# KiCad board hw-openmower-yardforce.kicad_pcb (continued)
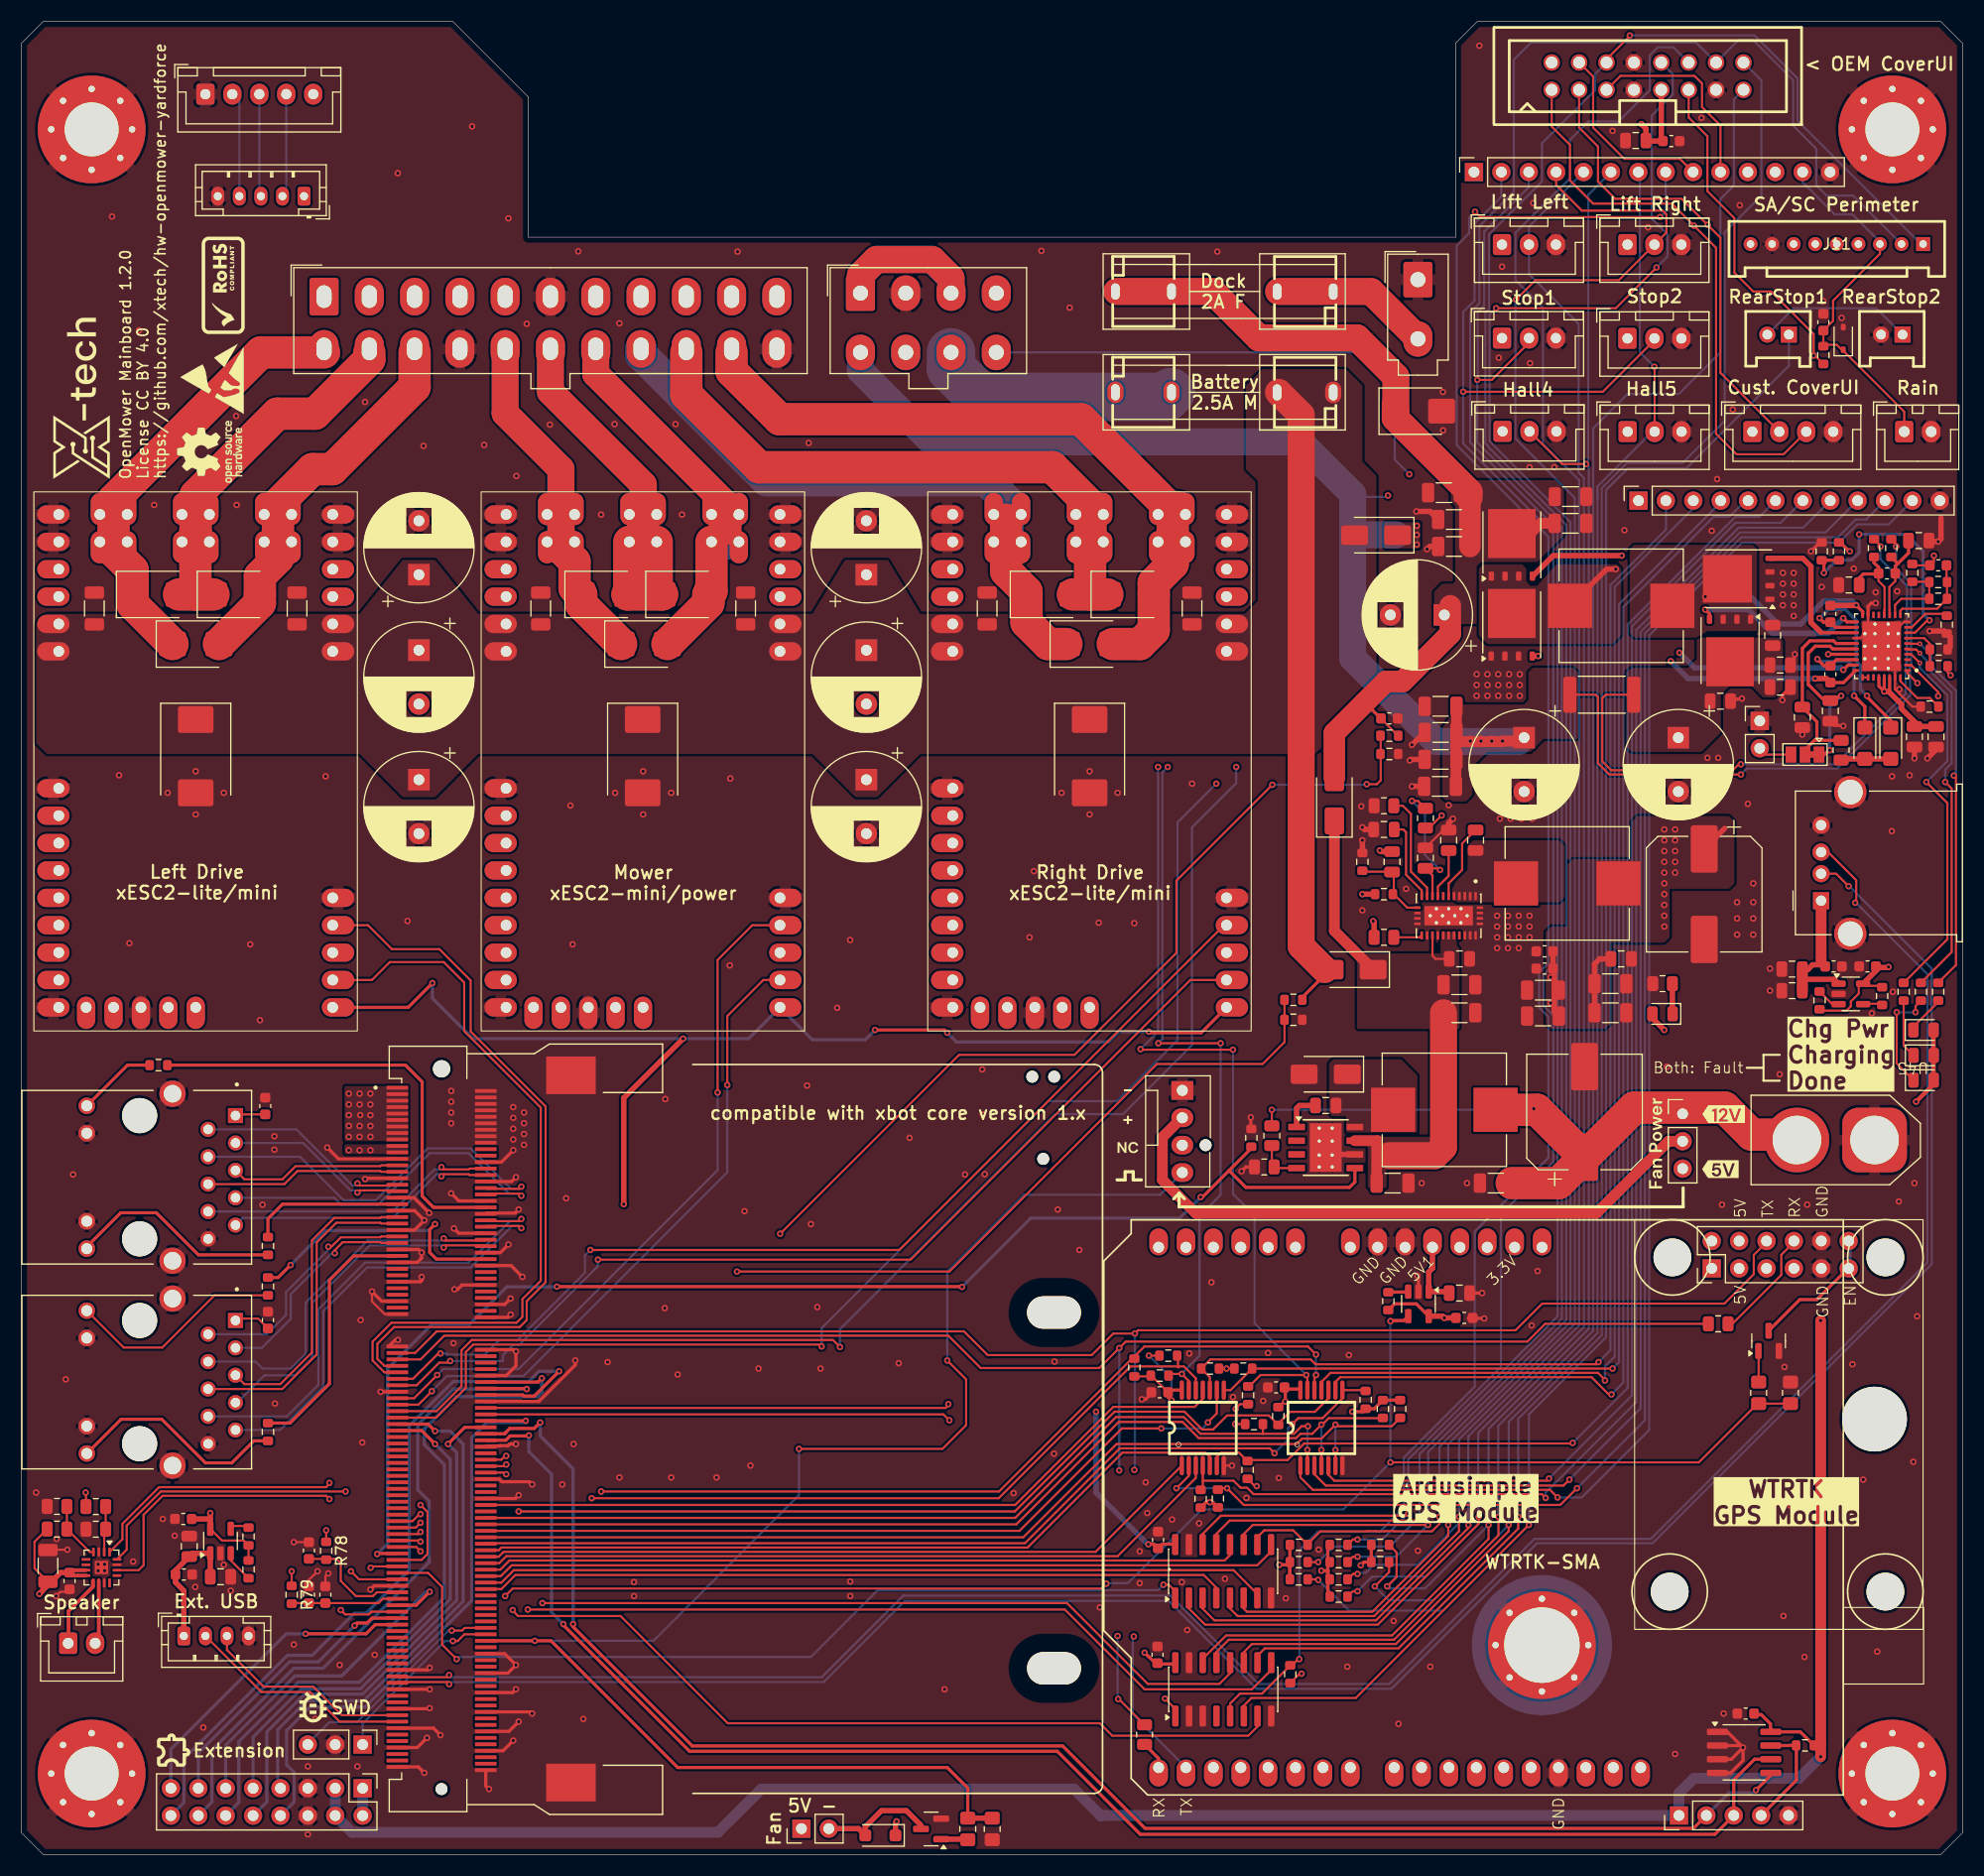
[diagram p0: board, top side]
## Library data of the parts
C1 C2 C5 C8 C10 C15 C17-C20 C22 C23 C36 C37 C48 C52 C54 C63 C76 C77 = -: Description: Unpolarized capacitor; JLC: C14663; ki_fp_filters: C_*
C3 C4 C6 C7 C26 C29 C35 C53 = -: Description: Unpolarized capacitor; JLC: C13967; ki_fp_filters: C_*
C9 C31-C34 = -: Description: Unpolarized capacitor; JLC: C15008; ki_fp_filters: C_*
C11 C16 C24 C25 C66 C67 C70 C71 C74 C75 = -: Description: Unpolarized capacitor; JLC: C13585; ki_fp_filters: C_*
C12 = -: Description: Unpolarized capacitor; JLC: C1710; ki_fp_filters: C_*
C13 = -: Part Number: GVM1V681M1010; Stock_PN: CP-SMD-680uF-35V; Digikey: P124828TR-ND; JLC: C413667; FT Rotation Offset: 180; ki_fp_filters: CP_*
C14 = -: Part Number: GVM1V681M1010; Stock_PN: CP-SMD-680uF-35V; Digikey: P124828TR-ND; JLC: C413667; ki_fp_filters: CP_*
C27 C30 C49 = -: Description: Unpolarized capacitor; ki_fp_filters: C_*
C28 = -: Description: Unpolarized capacitor; JLC: C377773; ki_fp_filters: C_*
C38-C41 C43-C46 = -: Description: Unpolarized capacitor; JLC: C29823; ki_fp_filters: C_*
C42 C47 C50 C64 C65 C68 C69 C72 C73 = -: Description: Polarized capacitor; JLC: C106516; ki_fp_filters: CP_*
C51 C80 = -: Description: Unpolarized capacitor; JLC: C354368; ki_fp_filters: C_*
C55 C56 C58 C59 = -: Description: 4.7uF 50V X7R ±10% 0805 Multilayer Ceramic Capacitors MLCC - SMD/SMT ROHS; JLC: C2991173; ki_fp_filters: C_*
C57 C61 C83 = -: Description: Unpolarized capacitor; JLC: C1623; ki_fp_filters: C_*
C60 = -: Description: Unpolarized capacitor; JLC: C14858; ki_fp_filters: C_*
C62 C78 C84 = -: Description: Unpolarized capacitor; JLC: C1779; ki_fp_filters: C_*
C79 C81 C82 = -: Description: Unpolarized capacitor; JLC: C28233; ki_fp_filters: C_*
D1 D5 D6 D29 = -: Description: Light emitting diode; JLC: C2297; Sim.Pins: 1=K 2=A; ki_fp_filters: LED* LED_SMD:* LED_THT:*
D2 D26 = -: Description: Schottky diode; JLC: C3758930; ki_fp_filters: TO-???* *_Diode_* *SingleDiode* D_*
D3 D15 D28 = -: Digikey: 3757-SB54AFC_R1_00001CT-ND; Part Number: SB54AFC_R1_00001; Stock_PN: D-SMA-Schottky-40V-5A; JLC: C22452; ki_fp_filters: TO-???* *_Diode_* *SingleDiode* D_*
D4 = -: Description: 1uA 40V 44.4V 600W@10/1000us 64.5V 9.3A Bidirectional TVS SMB(DO-214AA) ESD and Surge Protection (TVS/ESD) ROHS; JLC: C84730; ki_fp_filters: TO-???* *_Diode_* *SingleDiode* D_*
D7 D11 D17 = -: Description: -55℃~+150℃ 1 11.3A@10/1000us 1uA 33V 40.6V 53.3V 600W@10/1000us Bidirectional SMC ESD and Surge Protection (TVS/ESD) ROHS; JLC: C7470408; ki_fp_filters: TO-???* *_Diode_* *SingleDiode* D_*
D8-D10 D12-D14 D18-D20 = -: Config: do not place; DNP: Y; ki_fp_filters: TO-???* *_Diode_* *SingleDiode* D_*
D16 = -: Description: Schottky diode; JLC: C22452; ki_fp_filters: TO-???* *_Diode_* *SingleDiode* D_*
D21 = -: Description: Zener diode; JLC: C426855; ki_fp_filters: TO-???* *_Diode_* *SingleDiode* D_*
D22 = -: Part Number: AS160-M; Stock_PN: D-AS160-M; Digikey: 3757-SS0520_R1_00001CT-ND; JLC: C8598; ki_fp_filters: TO-???* *_Diode_* *SingleDiode* D_*
F2 F4 = -: LCSC: C3117; Part Number: https://aliexpress.com/item/4000318714025.html; Stock_PN: FH-FC-202-24; ki_fp_filters: *Fuse*
H1-H4 = -: Config: do not place; DNP: Y; ki_fp_filters: MountingHole*Pad*
H5 = -: Description: Mounting Hole with connection; ki_fp_filters: MountingHole*Pad*
J1 = -: Digikey: WM23810-ND; Part Number: 0039288220; Stock_PN: J-TH-4.2mm-2x11F; JLC: C492534; ki_fp_filters: Connector*:*_2x??_*
J2 = -: Digikey: 23-0039310080-ND; Part Number: 0039310080; Stock_PN: J-TH-4.2mm-2x4F; JLC: C2764796; ki_fp_filters: Connector*:*_2x??_*
J3 = -: Digikey: WM3843-ND; Part Number: 0039293026; Stock_PN: J-TH-4.2mm-1x2F; JLC: C62132; ki_fp_filters: Connector*:*_1x??_*
J4 = -: Description: Generic connector, single row, 01x04, script generated (kicad-library-utils/schlib/autogen/connector/); JLC: C442246; FT Rotation Offset: 180; ki_fp_filters: Connector*:*_1x??_*
J5 = -: Description: -40℃~+105℃ 2 2.54mm 2.54mm 2x8P 3A 8 Black Brass Gold IDC Header Through Hole 插件,P=2.54mm IDC Connectors ROHS; JLC: C3406; ki_fp_filters: Connector*:*_2x??_*
J6 = -: Description: Generic connector, single row, 01x14, script generated; JLC: C2905420; FT Rotation Offset: 90; ki_fp_filters: Connector*:*_1x??_*
J7 = -: Description: Generic connector, single row, 01x12, script generated; JLC: C5224029; FT Rotation Offset: 90; ki_fp_filters: Connector*:*_1x??_*
J8 J9 J12-J15 = -: Digikey: 455-2231-ND; Part Number: B3B-XH-AM(LF)(SN); Stock_PN: J-JST-XH-1x3; JLC: C144394; ki_fp_filters: Connector*:*_1x??_*
J10 = -: Stock_PN: J-JST-PH-1x5; JLC: C442247; FT Rotation Offset: 180; ki_fp_filters: Connector*:*_1x??_*
J11 = -: Description: 1 1x9P 20mm 2A 2mm 5.1mm 8mm 9 9P Brass HY PA66 Through Hole Tin UL94V-0 White Plugin,P=2mm Wire To Board Connector ROHS; Part Number: ZX-HY2.0-9PZZ; JLC: C7429585; ki_fp_filters: Connector*:*_1x??_*
J17 J18 = -: Digikey: 455-2946-ND; Part Number: B2B-XH-A-GU; Stock_PN: J-JST-XH-1x2; JLC: C2910525; FT Rotation Offset: 180; ki_fp_filters: Connector*:*_1x??_*
J19 = -: Description: Generic connector, single row, 01x04, script generated (kicad-library-utils/schlib/autogen/connector/); Digikey: 455-2249-ND; Part Number: B4B-XH-A(LF)(SN); Stock_PN: J-JST-XH-1x4; JLC: C144395; FT Rotation Offset: 180; ki_fp_filters: Connector*:*_1x??_*
J20 = -: Description: Generic connector, single row, 01x02, script generated (kicad-library-utils/schlib/autogen/connector/); JLC: C98734; ki_fp_filters: Connector*:*_1x??_*
J21 = -: Digikey: 455-2270-ND; Part Number: B5B-XH-A(LF)(SN); Stock_PN: J-JST-XH-1x5; JLC: C157991; FT Rotation Offset: 180; ki_fp_filters: Connector*:*_1x??_*
J23 J24 = -: MF: hanrun; MAXIMUM_PACKAGE_HEIGHT: 13.75 mm; Package: None; Price: None; Check_prices: https://www.snapeda.com/parts/HR911130A/HanRun/view-part/?ref=eda; STANDARD: Manufacturer Recommendations; PARTREV: A; SnapEDA_Link: https://www.snapeda.com/parts/HR911130A/HanRun/view-part/?ref=snap; Availability: In Stock; MANUFACTURER: HanRun; JLC: C54408
J25 = -: Description: Generic connector, single row, 01x05, script generated; JLC: C6332198; FT Rotation Offset: 90; ki_fp_filters: Connector*:*_1x??_*
J26 = -: JLC: C225721; JLC-ALT: C306045; FT Rotation Offset: 90
J27 J40 = -: Description: -25℃~+85℃ 1 1x2P 2 250V 2A 2P 2mm 5.1mm 6mm 7.8mm Brass HY PA66 Through Hole Tin White 插件,P=2mm Wire To Board Connector ROHS; Part Number: HC-HY-2A; JLC: C2845460; ki_fp_filters: Connector*:*_1x??_*
J28 = -: Description: USB Type A connector; JLC: C456018; ki_fp_filters: USB*
J31 = -: Description: Generic connector, single row, 01x03, script generated; JLC: C2937625; FT Rotation Offset: 90; ki_fp_filters: Connector*:*_1x??_*
J32 = -: Description: Generic connector, double row, 02x08, odd/even pin numbering scheme (row 1 odd numbers, row 2 even numbers), script generated (kicad-library-utils/schlib/autogen/connector/); JLC: C779499; FT Rotation Offset: 90; ki_fp_filters: Connector*:*_2x??_*
J33 = -: Description: Generic connector, single row, 01x04, script generated (kicad-library-utils/schlib/autogen/connector/); Field4: Farnell; Field5: 2313705; Field6: 470531000; Field7: Molex; Part Description: Connector Header Through Hole 4 position 0.100" (2.54mm); JLC: C240840; FT Rotation Offset: 180; ki_fp_filters: Connector*:*_1x??_*
J34 = -: Description: Generic connector, single row, 01x03, script generated (kicad-library-utils/schlib/autogen/connector/); JLC: C2937625; FT Rotation Offset: 90; ki_fp_filters: Connector*:*_1x??_*
JP1 = -: Description: 3-pole Solder Jumper, pins 1+2 closed/bridged; ki_fp_filters: SolderJumper*Bridged12*
L1 = -: Description: Inductor; JLC: C408485; ki_fp_filters: Choke_* *Coil* Inductor_* L_*
L3 = -: Description: Inductor; JLC: C408489; ki_fp_filters: Choke_* *Coil* Inductor_* L_*
L4 = -: Description: Inductor; JLC: C408487; ki_fp_filters: Choke_* *Coil* Inductor_* L_*
M1 = -: Part Number: DZ254R-11-02-63; Stock_PN: J-TH-1x2-.1; JLC: C2935908; FT Rotation Offset: 90; ki_fp_filters: PinHeader*P2.54mm* TerminalBlock*
Q1 Q4 = -: Datasheet: https://www.onsemi.com/pub/Collateral/BSS138-D.PDF; Description: 50V Vds, 0.22A Id, N-Channel MOSFET, SOT-23; Part Number: AP2300; Stock_PN: Q-AP2300; Digikey: BSS138K-13DICT-ND; JLC: C3040446; ki_fp_filters: SOT?23*
Q6-Q9 = -: JLC: C501503; ki_fp_filters: TDSON*
R1-R4 R27-R32 R34-R43 R46-R51 R60-R65 R70 R75-R77 = -: Description: Resistor; JLC: C25804; ki_fp_filters: R_*
R5-R7 = -: Description: Resistor; JLC: C17514; ki_fp_filters: R_*
R8 R26 R66 = -: Description: Resistor; JLC: C17477; ki_fp_filters: R_*
R11-R14 = -: Description: Resistor; JLC: C23025; ki_fp_filters: R_*
R15 R22 R72 R73 = -: Description: Resistor; ki_fp_filters: R_*
R16 = -: Description: Resistor; JLC: C149504; ki_fp_filters: R_*
R17 = -: Description: Resistor; JLC: C122538; ki_fp_filters: R_*
R18 = -: Description: Resistor; JLC: C2828637; ki_fp_filters: R_*
R19 = -: Description: Resistor; JLC: C17513; ki_fp_filters: R_*
R20 = -: Description: Resistor; JLC: C25819; ki_fp_filters: R_*
R21 = -: Description: Resistor; JLC: C25803; ki_fp_filters: R_*
R23 = -: Description: Resistor; JLC: C2692707; ki_fp_filters: R_*
R24 R52 = -: Digikey: 738-RMCF0805FG10K0CT-ND; Part Number: RMCF0805FG10K0; Stock_PN: R-805-10K-.125W-1%; JLC: C17414; ki_fp_filters: R_*
R25 R53 = -: Stock_PN: R-805-150-.125W-1%; Digikey: 311-150CRCT-ND; Part Number: RC0805FR-07150RL; JLC: C17471; ki_fp_filters: R_*
R33 = -: Description: Resistor; JLC: C705752; ki_fp_filters: R_*
R44 = -: Description: Resistor; JLC: C4328; ki_fp_filters: R_*
R45 R58 R59 = -: Description: Resistor; JLC: C17520; ki_fp_filters: R_*
R54 = -: Description: Resistor; JLC: C705768; ki_fp_filters: R_*
R55 = -: Description: Resistor; JLC: C318131; ki_fp_filters: R_*
R56 = -: Description: Resistor; JLC: C861323; ki_fp_filters: R_*
R57 = -: Description: Resistor; JLC: C728589; ki_fp_filters: R_*
R67 = -: Description: Resistor; JLC: C309526; ki_fp_filters: R_*
R68 R69 = -: Description: Resistor; JLC: C22859; ki_fp_filters: R_*
R71 = -: Description: Resistor; JLC: C861231; ki_fp_filters: R_*
R74 = -: Description: Resistor; JLC: C227577; ki_fp_filters: R_*
R78 R79 = -: Description: Resistor; JLC: C21190; ki_fp_filters: R_*
TP1 = -: Description: 2-polar test point; ki_fp_filters: Pin* Test*
U1 U2 = -: Datasheet: https://www.ti.com/lit/ds/symlink/tps2051c.pdf; Description: 1A Current limited power switch, single channel, output discharge, reverse blocking, SOT-23-5; JLC: C353882; FT Rotation Offset: 90; ki_fp_filters: SOT?23*
U3 = -: Datasheet: https://www.analog.com/media/en/technical-documentation/data-sheets/MAX98357A-MAX98357B.pdf; Description: Mono DAC with amplifier, I2S, PCM, TDM, 32-bit, 96khz, 3.2W, TQFP-16; JLC: C910544; FT Rotation Offset: -90; ki_fp_filters: TQFN*3x3mm*P0.5mm*EP1.23x1.23mm*
U4 = -: Datasheet: http://www.ti.com/lit/ds/symlink/tps5430.pdf; Description: 3A, Step Down Swift Converter, Adjustable Output Voltage, 5.5-36V Input Voltage, PowerSO-8; JLC: C9864; ki_fp_filters: TI*SO*PowerPAD*ThermalVias*
U5 = -: Datasheet: https://www.ti.com/lit/ds/symlink/lm76005.pdf?ts=1718110395626&ref_url=https%253A%252F%252Fwww.ti.com%252Fproduct%252Fde-de%252FLM76005%252Fpart-details%252FLM76005RNPR; MF: Texas Instruments; SNAPEDA_PACKAGE_ID: 121635; MAXIMUM_PACKAGE_HEIGHT: 0.8 mm; Price: None; Package: WQFN-30 Texas Instruments; Check_prices: https://www.snapeda.com/parts/LM76005RNPR/Texas+Instruments/view-part/?ref=eda; STANDARD: Manufacturer Recommendations; PARTREV: A; SnapEDA_Link: https://www.snapeda.com/parts/LM76005RNPR/Texas+Instruments/view-part/?ref=snap; Purchase-URL: https://www.snapeda.com/api/url_track_click_mouser/?unipart_id=4770820&manufacturer=Texas Instruments&part_name=LM76005RNPR&search_term=lm76005rnpr; Description_1: 3.5-V to 60-V, 5-A synchronous step-down voltage converter; MANUFACTURER: Texas Instruments; Availability: In Stock; JLC: C2866241
U6 = -: Datasheet: https://www.ti.com/lit/ds/symlink/tps2051c.pdf; Description: 1A Current limited power switch, single channel, output discharge, reverse blocking, SOT-23-5; JLC: C265129; FT Rotation Offset: 90; ki_fp_filters: SOT?23*
U7 = -: Datasheet: http://www.st.com/content/ccc/resource/technical/document/datasheet/b0/d8/50/40/5a/85/49/6f/DM00071904.pdf/files/DM00071904.pdf/jcr:content/translations/en.DM00071904.pdf; Description: 2Kb (256x8) I2C Serial EEPROM, 2.5-5.5V, SOIC-8; JLC: C7562; ki_fp_filters: SOIC*3.9x4.9mm*P1.27mm*
U11 U12 = -: Datasheet: https://item.szlcsc.com/datasheet/SN74LVC07ADBR/2768715.html; Description: SN74LVC07ADBR SSOP-14_L6.2-W5.3-P0.65-LS7.8-BL; LCSC Part: C2676799
U14-U17 = -: JLC: C717027
U18-U26 = -: JLC: C92273
U27 = -: Datasheet: https://www.ti.com/lit/ds/symlink/bq25756.pdf; MF: Texas Instruments; MAXIMUM_PACKAGE_HEIGHT: 1.00mm; Package: VFQFN-36 Texas Instruments; Price: None; Check_prices: https://www.snapeda.com/parts/BQ25756RRVR/Texas+Instruments/view-part/?ref=eda; STANDARD: Manufacturer Recommendations; PARTREV: August 2023; SnapEDA_Link: https://www.snapeda.com/parts/BQ25756RRVR/Texas+Instruments/view-part/?ref=snap; Purchase-URL: https://www.snapeda.com/api/url_track_click_mouser/?unipart_id=14913022&manufacturer=Texas Instruments&part_name=BQ25756RRVR&search_term=bq25756rrvr; Description_1: Stand-alone or I&sup2;C-controlled 70-V bidirectional buck-boost charge controller with MPPT; Availability: In Stock; MANUFACTURER: Texas Instruments; JLC: C19272232; FT Rotation Offset: -90
U28 U29 = -: JLC: C356459
U30-U35 U42 = -: JLC: C7509518
U36-U38 = -: JLC: C7509520
U39-U41 = -: JLC: C7509517
U43 U44 = -: JLC: C7509515
U45 = -: JLC: C7509514
U46 = -: JLC: C718230
U47 U48 = -: Datasheet: https://www.ti.com/document-viewer/sn74lvc157a/datasheet; Description: Quad 2 to 1 line Multiplexer; JLC: C7664; ki_fp_filters: DIP?16*
XA1 = -: Config: do not place; DNP: Y; ki_fp_filters: Arduino_Uno_Shield

## Footprints (pads in the part's own frame, mm; a bottom-side part is the same pattern mirrored in y, then rotated)
AMASS_XT60-F_1x02_P7.20mm_Vertical
  rrect 6x6 hole 4.5: 1(0,0)
  round 6 hole 4.5: 2(7.2,0)
Arduino_Uno_Shield_Ardusimple_Budget
  oval 1.727x2.5 hole 1.016: (27.94,2.54) 3V3(35.56,2.54) 5V1(38.1,2.54) A0(50.8,2.54) A1(53.34,2.54) A2(55.88,2.54) A3(58.42,2.54) A4(60.96,2.54) A5(63.5,2.54) AREF(23.876,50.8) D0(63.5,50.8) D1(60.96,50.8) D2(58.42,50.8) D3(55.88,50.8) D4(53.34,50.8) D5(50.8,50.8) D6(48.26,50.8) D7(45.72,50.8) D8(41.656,50.8) D9(39.116,50.8) D10(36.576,50.8) D11(34.036,50.8) D12(31.496,50.8) D13(28.956,50.8) GND1(26.416,50.8) GND2(40.64,2.54) GND3(43.18,2.54) IORF(30.48,2.54) RST1(33.02,2.54) SCL(18.796,50.8) SDA(21.336,50.8) VIN(45.72,2.54)
BQ25756RRVR
  rrect 0.6x0.25 smd: 1(-2.4,2.25) 2(-2.4,1.75) 3(-2.4,1.25) 4(-2.4,0.75) 5(-2.4,0.25) 6(-2.4,-0.25) 7(-2.4,-0.75) 8(-2.4,-1.25) 9(-2.4,-1.75) 10(-2.4,-2.25) 19(2.4,-2.25) 20(2.4,-1.75) 21(2.4,-1.25) 22(2.4,-0.75) 23(2.4,-0.25) 24(2.4,0.25) 25(2.4,0.75) 26(2.4,1.25) 27(2.4,1.75) 28(2.4,2.25)
  rrect 0.25x0.6 smd: 11(-1.75,-2.9) 12(-1.25,-2.9) 13(-0.75,-2.9) 14(-0.25,-2.9) 15(0.25,-2.9) 16(0.75,-2.9) 17(1.25,-2.9) 18(1.75,-2.9) 29(1.75,2.9) 30(1.25,2.9) 31(0.75,2.9) 32(0.25,2.9) 33(-0.25,2.9) 34(-0.75,2.9) 35(-1.25,2.9) 36(-1.75,2.9)
  round 0.5 hole 0.3: 37(-1.55,1.16) 37(-1.55,0) 37(-1.55,-1.16) 37(-0.615,2.05) 37(-0.615,1.16) 37(-0.615,0) 37(-0.615,-1.16) 37(-0.615,-2.05) 37(0.615,2.05) 37(0.615,1.16) 37(0.615,0) 37(0.615,-1.16) 37(0.615,-2.05) 37(1.55,1.16) 37(1.55,0) 37(1.55,-1.16)
  rrect 3.6x4.6 smd: 37(0,0)
C_0603_1608Metric
  rrect 0.9x0.95 smd: 1(-0.775,0) 2(0.775,0)
C_0805_2012Metric
  rrect 1x1.45 smd: 1(-0.95,0) 2(0.95,0)
C_1206_3216Metric
  rrect 1.15x1.8 smd: 1(-1.475,0) 2(1.475,0)
CP_Elec_10x12.5
  rrect 4.4x2.5 smd: 1(-4.2,0) 2(4.2,0)
CP_Radial_D10.0mm_P5.00mm
  rect 2x2 hole 1: 1(0,0)
  round 2 hole 1: 2(5,0)
D_SMA
  rrect 2.5x1.8 smd: 1(-2,0) 2(2,0)
D_SMB
  rrect 2.5x2.3 smd: 1(-2.15,0) 2(2.15,0)
D_SMB#2
  rrect 2.5x2.3 smd: 1(-2.15,0) 2(2.15,0)
D_SMC
  rrect 2.5x3.3 smd: 1(-3.4,0) 2(3.4,0)
D_SMF
  rrect 1.3x1.4 smd: 1(-1.45,0) 2(1.45,0)
D_SOD-123F
  rrect 1.1x1.1 smd: 1(-1.4,0) 2(1.4,0)
D_SOD-323
  rrect 0.6x0.45 smd: 1(-1.05,0) 2(1.05,0)
FanPinHeader_1x04_P2.54mm_Vertical
  round 1.1 hole 1.1 unplated: (5.08,2.16)
  rect 1.73x2.03 hole 1.02: 1(0,0)
  oval 1.73x2.03 hole 1.02: 2(2.54,0) 3(5.08,0) 4(7.62,0)
Fuseholder5x20_horiz_open_inline_XF-003
  oval 1.5x2 hole 0.8x1.5: 1(-0.13,0) 1(5.07,0) 2(14.87,-0.01) 2(20.07,-0.01)
HC-HY-2A_C2845460
  rect 1.5x1.5 hole 0.9: 1(1,0)
  round 1.5 hole 0.9: 2(-1,0)
HDR-IDC-2_54-2X8P_C3406
  round 1.524 hole 1.1: 1(-8.89,-1.27) 2(-8.89,1.27) 3(-6.35,-1.27) 4(-6.35,1.27) 5(-3.81,-1.27) 6(-3.81,1.27) 7(-1.27,-1.27) 8(-1.27,1.27) 9(1.27,-1.27) 10(1.27,1.27) 11(3.81,-1.27) 12(3.81,1.27) 13(6.35,-1.27) 14(6.35,1.27) 15(8.89,-1.27) 16(8.89,1.27)
HR911130A
  round 3.25 hole 3.25 unplated: (-5.715,0) (5.715,0)
  rect 1.398x1.398 hole 0.89: 1(5.72,-8.89)
  round 1.398 hole 0.89: 2(4.44,-6.35) 3(3.18,-8.89) 4(1.9,-6.35) 5(0.64,-8.89) 6(-0.64,-6.35) 7(-1.9,-8.89) 8(-3.18,-6.35) 9(-4.44,-8.89) 10(-5.72,-6.35)
  round 1.53 hole 1.02: 11(6.625,4.9) 12(4.085,4.9) 13(-4.085,4.9) 14(-6.625,4.9)
  round 2.445 hole 1.63: S1(7.745,-3.05) S2(-7.745,-3.05)
JST_PH_B4B-PH-K_1x04_P2.00mm_Vertical
  rrect 1.2x1.75 hole 0.75: 1(0,0)
  oval 1.2x1.75 hole 0.75: 2(2,0) 3(4,0) 4(6,0)
JST_PH_B5B-PH-K_1x05_P2.00mm_Vertical
  rrect 1.2x1.75 hole 0.75: 1(0,0)
  oval 1.2x1.75 hole 0.75: 2(2,0) 3(4,0) 4(6,0) 5(8,0)
JST_XH_B2B-XH-A_1x02_P2.50mm_Vertical
  rrect 1.7x2 hole 1: 1(0,0)
  oval 1.7x2 hole 1: 2(2.5,0)
JST_XH_B3B-XH-A_1x03_P2.50mm_Vertical
  rrect 1.7x1.95 hole 0.95: 1(0,0)
  oval 1.7x1.95 hole 0.95: 2(2.5,0) 3(5,0)
JST_XH_B4B-XH-A_1x04_P2.50mm_Vertical
  rrect 1.7x1.95 hole 0.95: 1(0,0)
  oval 1.7x1.95 hole 0.95: 2(2.5,0) 3(5,0) 4(7.5,0)
JST_XH_B5B-XH-A_1x05_P2.50mm_Vertical
  rrect 1.7x1.95 hole 0.95: 1(0,0)
  oval 1.7x1.95 hole 0.95: 2(2.5,0) 3(5,0) 4(7.5,0) 5(10,0)
L_Sunlord_MWSA1004S
  rect 4.1x4.1 smd: 1(-4.75,0) 2(4.75,0)
LED_0805_2012Metric
  rrect 0.975x1.4 smd: 1(-0.938,0) 2(0.938,0)
LM76005RNPR
  rrect 0.75x0.25 smd: 1(-1.825,2.5) 2(-1.825,2) 3(-1.825,1.5) 4(-1.825,1) 5(-1.825,0.5) 6(-1.825,0) 7(-1.825,-0.5) 8(-1.825,-1) 9(-1.825,-1.5) 10(-1.825,-2) 11(-1.825,-2.5) 16(1.825,-2.5) 17(1.825,-2) 18(1.825,-1.5) 19(1.825,-1) 20(1.825,-0.5) 21(1.825,0) 22(1.825,0.5) 23(1.825,1) 24(1.825,1.5) 25(1.825,2) 26(1.825,2.5)
  rrect 0.25x0.6 smd: 12(-0.75,-2.9) 13(-0.25,-2.9) 14(0.25,-2.9) 15(0.75,-2.9) 27(0.75,2.9) 28(0.25,2.9) 29(-0.25,2.9) 30(-0.75,2.9)
  round 0.5 hole 0.3: 31(-0.65,1.14) 31(-0.65,-1.14) 31(-0.65,0) 31(0,1.71) 31(0,0.57) 31(0,-0.57) 31(0,-1.71) 31(0.65,0) 31(0.65,1.14) 31(0.65,-1.14)
  rect 1.8x4.5 smd: 31(0,0)
Molex_Mini-Fit_Jr_5566-02A_2x01_P4.20mm_Vertical
  rrect 2.7x3.3 hole 1.4: 1(0,0)
  oval 2.7x3.3 hole 1.4: 2(0,-5.5)
Molex_Mini-Fit_Jr_5566-08A_2x04_P4.20mm_Vertical
  rrect 2.7x3.3 hole 1.4: 1(0,0)
  oval 2.7x3.3 hole 1.4: 2(4.2,0) 3(8.4,0) 4(12.6,0) 5(0,-5.5) 6(4.2,-5.5) 7(8.4,-5.5) 8(12.6,-5.5)
Molex_Mini-Fit_Jr_5566-22A_2x11_P4.20mm_Vertical
  rrect 2.7x3.5 hole 1.4x2.1: 1(0,-0.325)
  oval 2.7x3.5 hole 1.4x2.1: 2(4.2,-0.325) 3(8.4,-0.325) 4(12.6,-0.325) 5(16.8,-0.325) 6(21,-0.325) 7(25.2,-0.325) 8(29.4,-0.325) 9(33.6,-0.325) 10(37.8,-0.325) 11(42,-0.325) 12(0,-5.175) 13(4.2,-5.175) 14(8.4,-5.175) 15(12.6,-5.175) 16(16.8,-5.175) 17(21,-5.175) 18(25.2,-5.175) 19(29.4,-5.175) 20(33.6,-5.175) 21(37.8,-5.175) 22(42,-5.175)
MountingHole_5mm_Pad_Via
  round 0.9 hole 0.6: 1(-3.75,0) 1(-2.652,2.652) 1(-2.652,-2.652) 1(0,3.75) 1(0,-3.75) 1(2.652,2.652) 1(2.652,-2.652) 1(3.75,0)
  round 10 hole 5: 1(0,0)
PinHeader_1x02_P2.54mm_Vertical
  rect 1.7x1.7 hole 1: 1(0,0)
  oval 1.7x1.7 hole 1: 2(0,-2.54)
PinHeader_1x03_P2.54mm_Vertical
  rect 1.7x1.7 hole 1: 1(0,0)
  oval 1.7x1.7 hole 1: 2(0,-2.54) 3(0,-5.08)
PinHeader_1x05_P2.54mm_Vertical
  rect 1.7x1.7 hole 1: 1(0,0)
  oval 1.7x1.7 hole 1: 2(0,-2.54) 3(0,-5.08) 4(0,-7.62) 5(0,-10.16)
PinHeader_2x08_P2.54mm_Vertical
  rect 1.7x1.7 hole 1: 1(0,0)
  oval 1.7x1.7 hole 1: 2(2.54,0) 3(0,-2.54) 4(2.54,-2.54) 5(0,-5.08) 6(2.54,-5.08) 7(0,-7.62) 8(2.54,-7.62) 9(0,-10.16) 10(2.54,-10.16) 11(0,-12.7) 12(2.54,-12.7) 13(0,-15.24) 14(2.54,-15.24) 15(0,-17.78) 16(2.54,-17.78)
PinSocket_1x12_P2.54mm_Vertical
  rect 1.7x1.7 hole 1: 1(0,0)
  round 1.7 hole 1: 2(0,-2.54) 3(0,-5.08) 4(0,-7.62) 5(0,-10.16) 6(0,-12.7) 7(0,-15.24) 8(0,-17.78) 9(0,-20.32) 10(0,-22.86) 11(0,-25.4) 12(0,-27.94)
PinSocket_1x14_P2.54mm_Vertical
  rect 1.7x1.7 hole 1: 1(0,0)
  round 1.7 hole 1: 2(0,-2.54) 3(0,-5.08) 4(0,-7.62) 5(0,-10.16) 6(0,-12.7) 7(0,-15.24) 8(0,-17.78) 9(0,-20.32) 10(0,-22.86) 11(0,-25.4) 12(0,-27.94) 13(0,-30.48) 14(0,-33.02)
R_0603_1608Metric
  rrect 0.8x0.95 smd: 1(-0.825,0) 2(0.825,0)
R_0805_2012Metric
  rrect 1.025x1.4 smd: 1(-0.912,0) 2(0.912,0)
R_0805_2012Metric_Pad1.20x1.40mm_HandSolder
  rrect 1.2x1.4 smd: 1(-1,0) 2(1,0)
R_1206_3216Metric
  rrect 1.125x1.75 smd: 1(-1.462,0) 2(1.462,0)
R_2512_6332Metric
  rrect 1.225x3.35 smd: 1(-2.962,0) 2(2.962,0)
SMA_Mount_Hole_7mm_Pad_Via_Top_10_Bottom_13
  round 0.9 hole 0.6: 1(-4.3,0) 1(-3,3) 1(-3,-3) 1(0,4.3) 1(0,-4.3) 1(3,3) 1(3,-3) 1(4.3,0)
  round 10 hole 7: 1(0,0)
  round 13 smd far side: 1(0,0)
SN74LVC07ADBR_C2676799
  oval 0.4x1.8 smd: 1(-1.95,-3.5) 2(-1.3,-3.5) 3(-0.65,-3.5) 4(0,-3.5) 5(0.65,-3.5) 6(1.3,-3.5) 7(1.95,-3.5) 8(1.95,3.5) 9(1.3,3.5) 10(0.65,3.5) 11(0,3.5) 12(-0.65,3.5) 13(-1.3,3.5) 14(-1.95,3.5)
SOIC-8_3.9x4.9mm_P1.27mm
  rrect 1.95x0.6 smd: 1(-2.475,1.905) 2(-2.475,0.635) 3(-2.475,-0.635) 4(-2.475,-1.905) 5(2.475,-1.905) 6(2.475,-0.635) 7(2.475,0.635) 8(2.475,1.905)
SOIC-16_3.9x9.9mm_P1.27mm
  rrect 1.95x0.6 smd: 1(-2.475,4.445) 2(-2.475,3.175) 3(-2.475,1.905) 4(-2.475,0.635) 5(-2.475,-0.635) 6(-2.475,-1.905) 7(-2.475,-3.175) 8(-2.475,-4.445) 9(2.475,-4.445) 10(2.475,-3.175) 11(2.475,-1.905) 12(2.475,-0.635) 13(2.475,0.635) 14(2.475,1.905) 15(2.475,3.175) 16(2.475,4.445)
SolderJumper-3_P1.3mm_Bridged12_Pad1.0x1.5mm
  rect 1x1.5 smd: 1(-1.3,0) 2(0,0) 3(1.3,0)
SOT-23
  rrect 1.475x0.6 smd: 1(-0.938,0.95) 2(-0.938,-0.95) 3(0.938,0)
SOT-23-5
  rrect 1.325x0.6 smd: 1(-1.137,0.95) 2(-1.137,0) 3(-1.137,-0.95) 4(1.137,-0.95) 5(1.137,0.95)
Tag-Connect_TC2050-guidance
  round 1.1 hole 1.1 unplated: (-3.81,0) (3.81,1.016) (3.81,-1.016)
TDSON-8-1
  rrect 1.5x1.5 smd: (-0.2,0.85) (-0.2,-0.85) (1.5,0.85) (1.5,-0.85)
  custom 4.55x4.41 smd: (0.65,0)
  rrect 0.75x0.5 smd: (2.905,1.905) (2.905,0.635) (2.905,-0.635) (2.905,-1.905)
  rrect 0.85x0.5 smd: 1(-2.9,1.905) 2(-2.9,0.635) 3(-2.9,-0.635) 4(-2.9,-1.905)
  rect 4.55x4.41 smd: 5(1.05,0)
TI_SO-PowerPAD-8_ThermalVias
  rect 1.55x0.6 smd: 1(-2.7,1.905) 2(-2.7,0.635) 3(-2.7,-0.635) 4(-2.7,-1.905) 5(2.7,-1.905) 6(2.7,-0.635) 7(2.7,0.635) 8(2.7,1.905)
  round 0.6 hole 0.3: 9(-0.6,1.8) 9(-0.6,0.6) 9(-0.6,-0.7) 9(-0.6,-1.8) 9(0.6,1.8) 9(0.6,0.6) 9(0.6,-0.7) 9(0.6,-1.8)
  rect 2.6x3.1 smd: 9(0,0)
  rect 2.95x4.5 smd: 9(0,0)
  rect 2.95x4.5 smd far side: 9(0,0)
TQFN-16-1EP_3x3mm_P0.5mm_EP1.23x1.23mm
  rrect 0.5x0.5 smd: (-0.31,0.31) (-0.31,-0.31) (0.31,0.31) (0.31,-0.31)
  rrect 0.825x0.25 smd: 1(-1.438,0.75) 2(-1.438,0.25) 3(-1.438,-0.25) 4(-1.438,-0.75) 9(1.438,-0.75) 10(1.438,-0.25) 11(1.438,0.25) 12(1.438,0.75)
  rrect 0.25x0.825 smd: 5(-0.75,-1.438) 6(-0.25,-1.438) 7(0.25,-1.438) 8(0.75,-1.438) 13(0.75,1.438) 14(0.25,1.438) 15(-0.25,1.438) 16(-0.75,1.438)
  rect 1.23x1.23 smd: 17(0,0)
UM9XX_WitMotion Sabo
  round 3.5 hole 3.5 unplated: (3.5,34.5) (3.5,3.5) (23.25,3.5) (23.5,34.5)
  round 6 hole 6 unplated: (4.5,18.5)
  rect 1.7x1.7 hole 1: 1(19.6,4.52)
  oval 1.7x1.7 hole 1: 2(17.06,4.52) 3(14.52,4.52) 4(11.98,4.52) 5(9.44,4.52) 6(6.9,4.52) 7(19.6,1.98) 8(17.06,1.98) 9(14.52,1.98) 10(11.98,1.98) 11(9.44,1.98) 12(6.9,1.98)
USB_A_Molex_67643_Horizontal
  rect 1.6x1.5 hole 0.95: 1(0,0)
  round 1.6 hole 0.95: 2(2.5,0) 3(4.5,0) 4(7,0)
  round 3 hole 2.3: 5(-3.07,-2.71) 5(10.07,-2.71)
xcore
  round 1.6 hole 1.6 unplated: (0,33.4)
  round 1.1 hole 1.1 unplated: (0,-33.4)
  oval 5x3 hole 5x3 unplated: (56.8,10.8) (56.8,-22.2)
  rect 2x0.35 smd: 1(-4.1,31.65) 2(4.1,31.35) 3(-4.1,31.05) 4(4.1,30.75) 5(-4.1,30.45) 6(4.1,30.15) 7(-4.1,29.85) 8(4.1,29.55) 9(-4.1,29.25) 10(4.1,28.95) 11(-4.1,28.65) 12(4.1,28.35) 13(-4.1,28.05) 14(4.1,27.75) 15(-4.1,27.45) 16(4.1,27.15) 17(-4.1,26.85) 18(4.1,26.55) 19(-4.1,26.25) 20(4.1,25.95) 21(-4.1,25.65) 22(4.1,25.35) 23(-4.1,25.05) 24(4.1,24.75) 25(-4.1,24.45) 26(4.1,24.15) 27(-4.1,23.85) 28(4.1,23.55) 29(-4.1,23.25) 30(4.1,22.95) 31(-4.1,22.65) 32(4.1,22.35) 33(-4.1,22.05) 34(4.1,21.75) 35(-4.1,21.45) 36(4.1,21.15) 37(-4.1,20.85) 38(4.1,20.55) 39(-4.1,20.25) 40(4.1,19.95) 41(-4.1,19.65) 42(4.1,19.35) 43(-4.1,19.05) 44(4.1,18.75) 45(-4.1,18.45) 46(4.1,18.15) 47(-4.1,17.85) 48(4.1,17.55) 49(-4.1,17.25) 50(4.1,16.95) 51(-4.1,16.65) 52(4.1,16.35) 53(-4.1,16.05) 54(4.1,15.75) 55(-4.1,15.45) 56(4.1,15.15) 57(-4.1,14.85) 58(4.1,14.55) 59(-4.1,14.25) 60(4.1,13.95) 61(-4.1,13.65) 62(4.1,13.35) 63(-4.1,13.05) 64(4.1,12.75) 65(-4.1,12.45) 66(4.1,12.15) 67(-4.1,11.85) 68(4.1,11.55) 69(-4.1,11.25) 70(4.1,10.95) 71(-4.1,10.65) 72(4.1,10.35) 73(-4.1,7.65) 74(4.1,7.35) 75(-4.1,7.05) 76(4.1,6.75) 77(-4.1,6.45) 78(4.1,6.15) 79(-4.1,5.85) 80(4.1,5.55) 81(-4.1,5.25) 82(4.1,4.95) 83(-4.1,4.65) 84(4.1,4.35) 85(-4.1,4.05) 86(4.1,3.75) 87(-4.1,3.45) 88(4.1,3.15) 89(-4.1,2.85) 90(4.1,2.55) 91(-4.1,2.25) 92(4.1,1.95) 93(-4.1,1.65) 94(4.1,1.35) 95(-4.1,1.05) 96(4.1,0.75) 97(-4.1,0.45) 98(4.1,0.15) 99(-4.1,-0.15) 100(4.1,-0.45) 101(-4.1,-0.75) 102(4.1,-1.05) 103(-4.1,-1.35) 104(4.1,-1.65) 105(-4.1,-1.95) 106(4.1,-2.25) 107(-4.1,-2.55) 108(4.1,-2.85) 109(-4.1,-3.15) 110(4.1,-3.45) 111(-4.1,-3.75) 112(4.1,-4.05) 113(-4.1,-4.35) 114(4.1,-4.65) 115(-4.1,-4.95) 116(4.1,-5.25) 117(-4.1,-5.55) 118(4.1,-5.85) 119(-4.1,-6.15) 120(4.1,-6.45) 121(-4.1,-6.75) 122(4.1,-7.05) 123(-4.1,-7.35) 124(4.1,-7.65) 125(-4.1,-7.95) 126(4.1,-8.25) 127(-4.1,-8.55) 128(4.1,-8.85) 129(-4.1,-9.15) 130(4.1,-9.45) 131(-4.1,-9.75) 132(4.1,-10.05) 133(-4.1,-10.35) 134(4.1,-10.65) 135(-4.1,-10.95) 136(4.1,-11.25) 137(-4.1,-11.55) 138(4.1,-11.85) 139(-4.1,-12.15) 140(4.1,-12.45) 141(-4.1,-12.75) 142(4.1,-13.05) 143(-4.1,-13.35) 144(4.1,-13.65) 145(-4.1,-13.95) 146(4.1,-14.25) 147(-4.1,-14.55) 148(4.1,-14.85) 149(-4.1,-15.15) 150(4.1,-15.45) 151(-4.1,-15.75) 152(4.1,-16.05) 153(-4.1,-16.35) 154(4.1,-16.65) 155(-4.1,-16.95) 156(4.1,-17.25) 157(-4.1,-17.55) 158(4.1,-17.85) 159(-4.1,-18.15) 160(4.1,-18.45) 161(-4.1,-18.75) 162(4.1,-19.05) 163(-4.1,-19.35) 164(4.1,-19.65) 165(-4.1,-19.95) 166(4.1,-20.25) 167(-4.1,-20.55) 168(4.1,-20.85) 169(-4.1,-21.15) 170(4.1,-21.45) 171(-4.1,-21.75) 172(4.1,-22.05) 173(-4.1,-22.35) 174(4.1,-22.65) 175(-4.1,-22.95) 176(4.1,-23.25) 177(-4.1,-23.55) 178(4.1,-23.85) 179(-4.1,-24.15) 180(4.1,-24.45) 181(-4.1,-24.75) 182(4.1,-25.05) 183(-4.1,-25.35) 184(4.1,-25.65) 185(-4.1,-25.95) 186(4.1,-26.25) 187(-4.1,-26.55) 188(4.1,-26.85) 189(-4.1,-27.15) 190(4.1,-27.45) 191(-4.1,-27.75) 192(4.1,-28.05) 193(-4.1,-28.35) 194(4.1,-28.65) 195(-4.1,-28.95) 196(4.1,-29.25) 197(-4.1,-29.55) 198(4.1,-29.85) 199(-4.1,-30.15) 200(4.1,-30.45) 201(-4.1,-30.75) 202(4.1,-31.05) 203(-4.1,-31.35) 204(4.1,-31.65)
  rect 4.6x3.5 smd: SH1(12,32.8) SH2(12,-32.8)
xESC2-mini
  oval 1.7x3 hole 1: 1(-17.775,27.94) 2(-15.235,27.94) 3(-10.155,27.94) 4(-7.615,27.94) 5(-5.075,27.94) 5V(-12.695,27.94) 5V(17.785,27.94) 5V(17.785,2.54) 5V(20.325,27.94) 5V(20.325,2.54) 6(-2.535,27.94) 11(-20.315,2.54) 12(-17.775,2.54) 13(-15.235,2.54) 14(-12.695,2.54) GND(-20.315,27.94) GND(-10.155,2.54) GND(0.005,27.94) GND(22.865,27.94) GND(22.865,2.54) GND(25.405,27.94) GND(25.405,2.54) VM(12.705,27.94) VM(12.705,2.54) VM(15.245,27.94) VM(15.245,2.54)
  oval 3x1.7 hole 1: 7(-20.315,25.4) 8(-20.315,22.86) 9(-20.315,17.78) 10(-20.315,15.24) GND(-20.315,20.32) U(22.865,8.89) U(22.865,6.35) U(25.405,8.89) U(25.405,6.35) V(22.865,16.51) V(22.865,13.97) V(25.405,16.51) V(25.405,13.97) W(22.865,24.13) W(22.865,21.59) W(25.405,24.13) W(25.405,21.59)
ZX-HY2_0-9PZZ_C7429585
  rect 1.3x1.3 hole 0.7: 1(8,0)
  round 1.3 hole 0.7: 2(6,0) 3(4,0) 4(2,0) 5(0,0) 6(-2,0) 7(-4,0) 8(-6,0) 9(-8,0)

## Nets
/3.3V: C17.1 C19.1 C20.2 C63.1 C77.1 J25.1 J26.19 J26.21 J32.3 J32.4 R28.1 R29.1 R41.1 R48.1 R49.1 R50.1 R60.1 R61.1 R63.1 R64.1 R65.1 R70.1 R77.1 U7.8 U11.14 U12.14 U47.16 U48.16 XA1.IORF
/5V: C1.1 C2.1 C9.1 C10.2 C14.1 C18.1 C30.1 C31.1 C32.1 C33.1 C34.1 C35.1 C36.2 C37.2 C52.1 C62.1 D1.2 D5.2 D6.2 D22.1 D29.2 J1.4 J1.11 J5.9 J6.1 J7.1 J8.1 J9.1 J10.1 J12.1 J13.1 J14.1 J15.1 J19.1 J21.5 J26.1 J26.3 J26.5 J26.7 J26.9 J26.11 J26.13 J26.15 J26.17 J32.1 J32.2 J34.3 L1.2 M1.1 R1.2 R2.2 R3.1 R4.1 R5.1 R7.1 R16.2 R17.1 R26.1 R27.1 R30.1 R31.1 R32.1 R36.1 R37.1 R38.1 R39.1 R40.1 R42.1 R43.1 R51.1 R62.1 U1.5 U2.5 U3.7 U3.8 U6.5 U8.5V U9.5V U10.5V U13.2 U13.8
/AuxPSU/12V_OUT: C13.1 C16.1 J20.2 J34.1 L3.2 R44.1
/VBATT: C64.1 C65.1 C66.1 C67.1 C68.1 C69.1 C70.1 C71.1 C72.1 C73.1 C74.1 C75.1 D3.2 D7.1 D11.1 D15.2 D17.1 F4.2 R56.2 U8.VM U9.VM U10.VM
/VIN: C11.1 C24.1 C25.1 C26.1 D15.1 D28.1 U4.7 U5.18 U5.20 U5.21 U5.22
GND: C1.2 C2.2 C3.2 C4.2 C5.1 C6.2 C7.2 C8.1 C9.2 C10.1 C11.2 C13.2 C14.2 C15.2 C16.2 C17.2 C18.2 C19.2 C20.1 C22.1 C23.1 C24.2 C25.2 C26.2 C27.2 C28.1 C31.2 C32.2 C33.2 C34.2 C35.2 C36.1 C37.1 C38.2 C39.2 C40.2 C41.2 C42.2 C43.2 C44.2 C45.2 C46.2 C47.2 C50.2 C51.1 C52.2 C53.2 C54.2 C55.2 C56.2 C57.2 C58.2 C59.2 C60.2 C61.2 C62.2 C63.2 C64.2 C65.2 C66.2 C67.2 C68.2 C69.2 C70.2 C71.2 C72.2 C73.2 C74.2 C75.2 C77.2 C78.2 C79.2 C80.2 C81.1 C82.2 C84.2 D4.2 D7.2 D11.2 D16.2 D17.2 D21.2 H1.1 H2.1 H3.1 H4.1 H5.1 J1.6 J1.15 J1.22 J2.2 J3.1 J4.4 J5.7 J5.8 J5.13 J6.14 J7.12 J8.3 J9.3 J10.5 J11.8 J12.3 J13.3 J14.3 J15.3 J17.2 J19.4 J20.1 J21.1 J23.10 J23.12 J23.13 J23.S1 J23.S2 J24.10 J24.12 J24.13 J24.S1 J24.S2 J25.5 J26.2 J26.4 J26.6 J26.8 J26.10 J26.12 J26.14 J26.16 J26.18 J26.23 J26.24 J26.29 J26.30 J26.35 J26.36 J26.39 J26.40 J26.45 J26.46 J26.51 J26.52 J26.55 J26.56 J26.61 J26.62 J26.67 J26.68 J26.71 J26.72 J26.73 J26.74 J26.82 J26.87 J26.90 J26.104 J26.114 J26.120 J26.147 J26.168 J26.173 J26.174 J26.179 J26.180 J26.185 J26.186 J26.191 J26.192 J26.197 J26.198 J26.203 J26.204 J26.SH1 J26.SH2 J27.2 J28.4 J28.5 J31.2 J32.5 J32.6 J33.1 Q1.2 Q4.2 Q7.1 Q7.2 Q7.3 Q9.1 Q9.2 Q9.3 R6.2 R8.2 R15.2 R18.2 R19.2 R20.1 R22.2 R24.1 R45.2 R46.2 R52.1 R55.1 R57.1 R73.2 R74.1 R75.2 TP1.1 U1.2 U2.2 U3.3 U3.11 U3.15 U3.17 U4.6 U4.9 U5.13 U5.14 U5.15 U5.17 U5.19 U5.24 U5.25 U5.26 U5.27 U5.28 U5.29 U5.30 U5.31 U6.2 U7.1 U7.2 U7.3 U7.4 U8.GND U9.GND U10.GND U11.7 U12.7 U13.5 U13.11 U27.10 U27.17 U27.22 U27.35 U27.37 U47.8 U47.15 U48.2 U48.3 U48.8 U48.15 XA1.GND1 XA1.GND2 XA1.GND3
/AGPIO0: C61.1 J26.149 R78.2
/AGPIO1: C57.1 C60.1 J26.151 R79.2
/AGPIO2: J26.153 J32.11
/AGPIO3: J5.11 J26.155 R47.1
/AGPIO4: J26.157 J32.13
/AGPIO5: J26.159 J32.15
/Amplifier/SPEAKER.+: J18.1 U3.9
/Amplifier/SPEAKER.-: J18.2 U3.10
/Charger/DRV_SUP: C78.1 JP1.2 R66.1 U27.23
/Charger/FB: R23.1 R33.2 R71.1 U27.12
/Charger/FBG: C49.2 R23.2 R71.2 U27.11
/Charger/REGN: C84.1 JP1.1 R72.1 U27.24
/Charger/SRN: C82.1 C83.2 R69.2 U27.13
/Charger/SRP: C81.2 C83.1 R68.2 U27.14
/Charger/STAT1: R34.2 U27.4
/Charger/STAT2: R35.2 U27.5
/Charger/TS: J2.8 R72.2 R73.1 U27.8
/Charger/V_BATT_CHARGE: C43.1 C44.1 C45.1 C46.1 C47.1 C49.1 D3.1 J2.5 R33.1 R67.1 R69.1
/Charger/~{PG}: R76.2 U27.6
/Connectors/ETH0.LED_G: J26.70
/Connectors/ETH0.LED_Y: J26.69
/Connectors/ETH0.PAIR_A_N: J26.63
/Connectors/ETH0.PAIR_A_P: J26.65
/Connectors/ETH0.PAIR_B_N: J26.64
/Connectors/ETH0.PAIR_B_P: J26.66
/Connectors/ETH0.PAIR_C_N: J26.57
/Connectors/ETH0.PAIR_C_P: J26.59
/Connectors/ETH0.PAIR_D_N: J26.58
/Connectors/ETH0.PAIR_D_P: J26.60
/Connectors/ETH1.LED_G: J26.54 R11.1
/Connectors/ETH1.LED_Y: J26.53 R12.1
/Connectors/ETH1.PAIR_A_N: J23.2 J26.47
/Connectors/ETH1.PAIR_A_P: J23.3 J26.49
/Connectors/ETH1.PAIR_B_N: J23.4 J26.48
/Connectors/ETH1.PAIR_B_P: J23.7 J26.50
/Connectors/ETH1.PAIR_C_N: J23.5 J26.41
/Connectors/ETH1.PAIR_C_P: J23.6 J26.43
/Connectors/ETH1.PAIR_D_N: J23.8 J26.42
/Connectors/ETH1.PAIR_D_P: J23.9 J26.44
/Connectors/ETH2.LED_G: J26.38 R13.1
/Connectors/ETH2.LED_Y: J26.37 R14.1
/Connectors/ETH2.PAIR_A_N: J24.2 J26.31
/Connectors/ETH2.PAIR_A_P: J24.3 J26.33
/Connectors/ETH2.PAIR_B_N: J24.4 J26.32
/Connectors/ETH2.PAIR_B_P: J24.7 J26.34
/Connectors/ETH2.PAIR_C_N: J24.5 J26.25
/Connectors/ETH2.PAIR_C_P: J24.6 J26.27
/Connectors/ETH2.PAIR_D_N: J24.8 J26.26
/Connectors/ETH2.PAIR_D_P: J24.9 J26.28
/Connectors/USBH1.N: J26.177 J28.2
/Connectors/USBH1.P: J26.175 J28.3
/Core/I2C4_ID.SCL: J25.3 J26.102 U7.6
/Core/I2C4_ID.SDA: J25.2 J26.100 U7.5
/Core/USBH2.N: J26.183
/Core/USBH2.P: J26.181
/Core/USBH4.N: J26.195
/Core/USBH4.P: J26.193
/Core/~{WC}: J25.4 R41.2 U7.7
/DCDC/BIAS: C51.2 R26.2 U5.9
/FDCAN1.RX: J26.118
/FDCAN1.TX: J26.116
/GPIO0: J26.145 U8.11 U9.11 U10.11
/GPIO1: J26.131 U48.12
/GPIO2: J26.141 R24.2 R25.1 U6.4
/GPIO3: J26.139 R49.2 U12.10
